# KiCad board ARTIQAmp.kicad_pcb (continued)
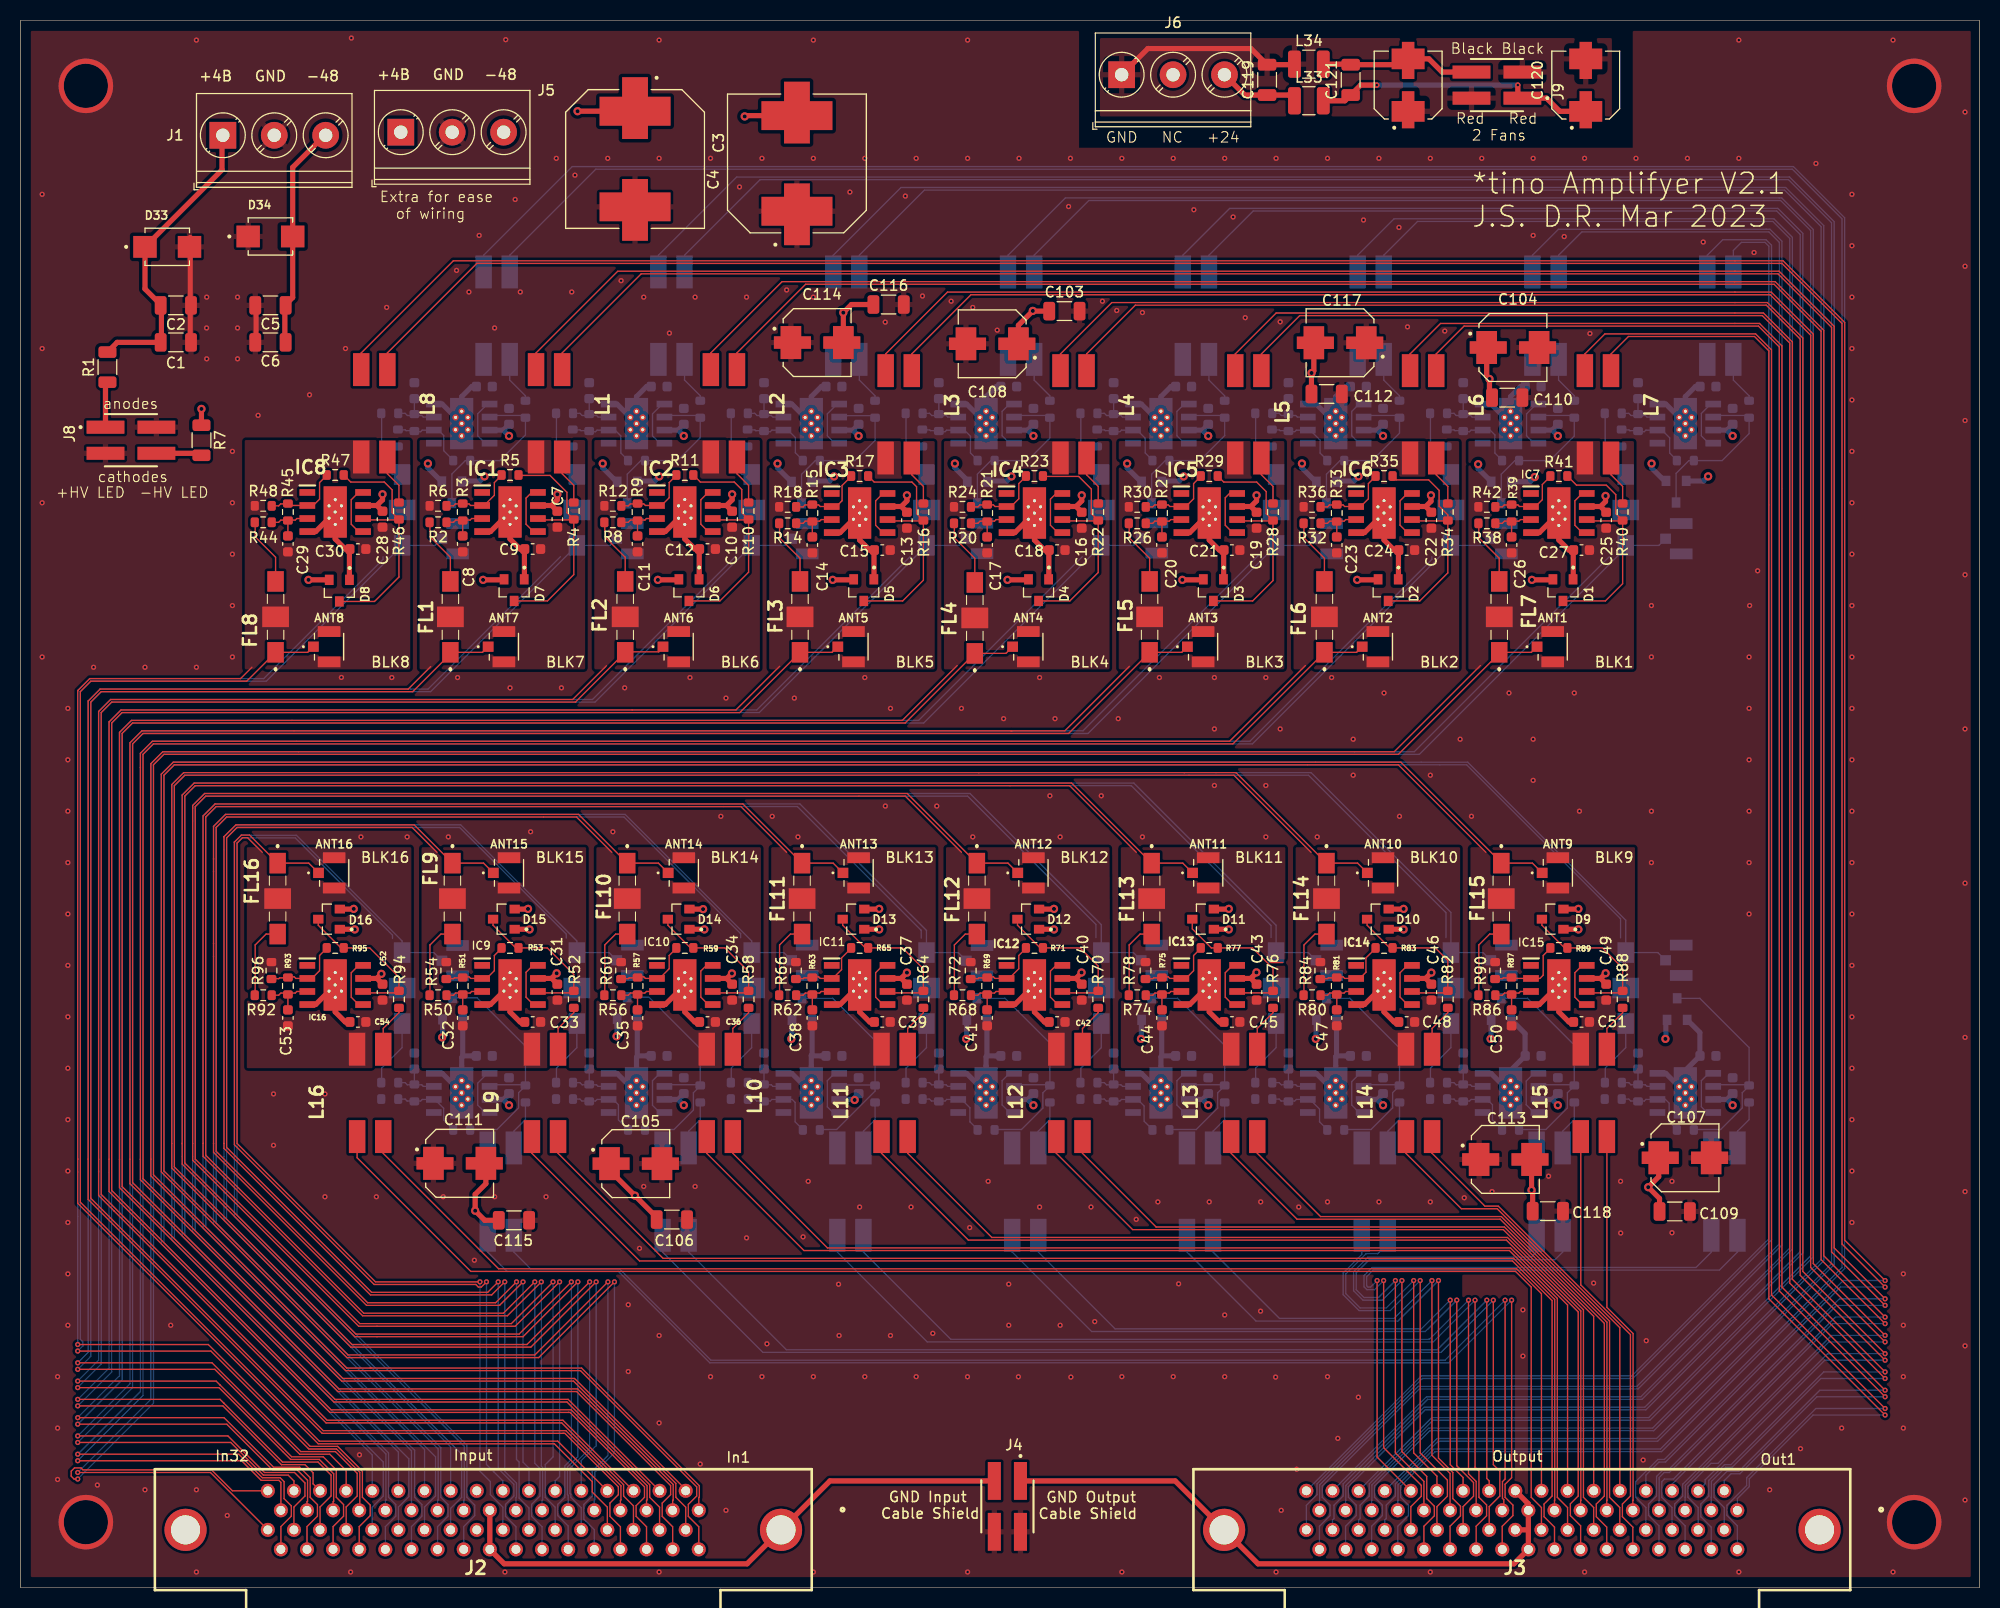
[diagram p0: board, top side]
## Routing (per net, layer and track width the routed paths; a pad name or vN(x,y) marks a point on that pad's centre or on a via; arc(x,y) is an arc through that point) (continued)
/D21_HV_OUT_COM: length 57.5
  Top w0.127: v2(137.89,29.85) 137.89,12.58 139.29,11.18 139.29,8.64 140.03,7.9 140.03,6.97 139.01,5.95 J3.57
  Bottom w0.127: 113.43,33.75 113.43,32.62 120.14,25.91 133.95,25.91 v2(137.89,29.85)
/D21_IN: length 178.4
  Bottom w0.127: ANT21.1 108.22,61.75 FL28.1 105.1,64.46 92.34,77.22 17.9,77.22 16.73,76.06 16.73,74.55 16.73,41.91 16.73,34.57 38.02,13.29 J2.23
/D21_IN_COM: length 176.3
  Bottom w0.127: J2.57 38.02,5.92 39.03,6.93 39.03,8.06 38.32,8.77 38.32,13.34 16.99,34.68 16.99,75.95 18,76.97 80.55,76.97 92.09,76.97 104.58,64.48 104.58,63.21
/D22_HV_OUT: length 37.7
  Top w0.127: v2(135.48,29.85) 135.48,13.09 137.75,10.82 J3.24
  Bottom w0.127: L29.3 132.97,33.45 131.98,32.46 130.85,32.46 128.88,30.48 128.88,28.58 130.27,27.18 132.81,27.18 v2(135.48,29.85)
/D22_HV_OUT_COM: length 41.1
  Top w0.127: v2(136.11,29.85) 136.11,13.09 138.76,10.44 138.76,8.87 137.75,7.86 J3.58
  Bottom w0.127: v2(136.11,29.85) 133.19,26.93 130.17,26.93 128.62,28.47 128.62,30.59 130.43,32.4 130.43,33.75
/D22_IN: length 195.9
  Bottom w0.127: ANT22.1 125.22,61.75 FL29.1 122.1,64.4 108.26,78.24 16.88,78.24 15.72,77.07 15.72,40.01 ; 15.72,40.01 15.72,34.19 36.74,13.16 J2.24 ; 15.72,40.01 15.72,39.9
/D22_IN_COM: length 193.7
  Bottom w0.127: 121.61,63.23 121.61,64.39 108.02,77.98 16.99,77.98 15.97,76.97 15.97,34.29 37.76,12.51 37.76,8.84 36.74,7.82 J2.58
/D23_HV_OUT: length 52
  Top w0.127: J3.25 136.47,10.31 133.7,13.09 v2(133.7,29.85)
  Bottom w0.127: 149.97,33.75 149.97,32.62 149.23,31.88 131.16,31.88 129.89,30.61 129.89,28.96 130.65,28.2 132.05,28.2 v2(133.7,29.85)
/D23_HV_OUT_COM: length 55.3
  Top w0.127: v2(134.34,29.85) 134.34,13.21 136.75,10.8 136.75,8.64 137.49,7.9 137.49,6.97 136.47,5.95 J3.59
  Bottom w0.127: 147.43,33.75 147.43,32.62 146.94,32.13 146.54,32.13 131.06,32.14 129.64,30.72 129.64,28.85 130.55,27.94 132.43,27.94 v2(134.34,29.85)
/D23_IN: length 217.8
  Bottom w0.127: ANT23.1 142.22,61.75 FL30.1 139.1,65.65 125.5,79.25 116.25,79.25 93.19,79.25 15.87,79.25 14.7,78.09 14.7,41.91 14.7,33.81 35.53,12.98 35.53,8.51 35.53,8.51 35.48,8.46 J2.25
/D23_IN_COM: length 215.7
  Bottom w0.127: J2.59 35.48,5.92 36.49,6.93 36.49,8.06 35.78,8.77 35.78,13.09 14.96,33.91 14.96,77.98 15.97,79 116.02,79 125.25,79 138.62,65.63 138.62,63.21
/D24_HV_OUT: length 62.2
  Top w0.127: J3.26 131.92,12.68 v2(131.92,29.85)
  Bottom w0.127: v2(131.92,29.85) 131.29,29.21 131.03,29.21 130.91,29.34 130.91,30.23 131.54,30.87 165.21,30.87 166.97,32.62 166.97,33.75
/D24_HV_OUT_COM: length 65.5
  Top w0.127: v2(132.56,29.85) 132.56,13.59 136.22,9.93 136.22,8.87 135.21,7.86 J3.60
  Bottom w0.127: 164.43,33.75 164.43,32.62 162.93,31.12 131.44,31.12 130.65,30.34 130.65,29.24 130.93,28.96 131.67,28.96 v2(132.56,29.85)
/D24_IN: length 234.8
  Bottom w0.127: ANT24.1 159.22,61.75 FL31.1 156.1,64.9 140.73,80.27 136.23,80.27 14.85,80.27 13.69,79.1 13.69,39.14 13.69,33.41 34.2,12.89 J2.26
/D24_IN_COM: length 232.8
  Bottom w0.127: J2.60 34.2,7.82 35.28,8.89 35.28,12.2 13.94,33.53 13.94,79 14.96,80.01 138.01,80.01 140.63,80.01 155.6,65.04 155.6,63.18
/D25_HV_OUT: length 292.6
  Bottom w0.127: 47.57,128.45 47.57,129.58 55.94,137.94 172.31,137.94 177.13,133.12 177.13,31.12 159.48,13.47 137.45,13.47 133.96,9.97 133.96,8.48 133.94,8.46 J3.27
/D25_HV_OUT_COM: length 300.2
  Bottom w0.127: J3.61 133.94,5.95 134.97,6.99 134.97,8 134.21,8.77 134.21,9.87 137.55,13.21 159.59,13.21 177.39,31.01 177.39,133.22 172.41,138.2 53.65,138.2 45.03,129.58 45.03,128.45
/D25_IN: length 141.8
  Top w0.127: J2.27 32.99,7.56 32.99,11.2 30.73,13.47 28.04,13.47 18.51,22.99 v2(5.56,22.99)
  Bottom w0.127: ANT25.1 40.33,101.35 FL24.1 23.89,88.14 6.83,88.14 5.81,87.13 5.81,24.13 6.07,23.88 6.07,23.5 v2(5.56,22.99)
/D25_IN_COM: length 140
  Top w0.127: J2.61 32.94,5.92 34.01,6.99 34.01,8 33.24,8.77 33.24,11.31 30.83,13.72 28.16,13.72 18.26,23.63 v2(5.56,23.63)
  Bottom w0.127: 35.25,100.25 35.25,100 23.65,88.4 6.72,88.4 5.56,87.23 5.56,40.39 v2(5.56,23.63)
/D26_HV_OUT: length 271.3
  Bottom w0.127: 64.57,128.45 64.57,129.58 71.92,136.93 171.93,136.93 176.12,132.74 176.12,31.5 159.1,14.48 137.75,14.48 J3.28
/D26_HV_OUT_COM: length 278.3
  Bottom w0.127: 62.03,128.45 62.03,129.58 69.63,137.18 171.04,137.18 172.03,137.18 176.37,132.84 176.37,31.39 159.21,14.23 137.85,14.23 133.7,10.08 133.7,8.89 132.81,8 132.81,6.71 132.66,6.56 J3.62
/D26_IN: length 155.3
  Top w0.127: J2.28 31.66,11.36 30.07,12.96 27.15,12.96 18.89,21.21 v2(5.56,21.21)
  Bottom w0.127: v2(5.56,21.21) 6.83,22.48 6.83,86.11 7.84,87.13 39.88,87.13 FL17.1 57.33,101.35 ANT26.1
/D26_IN_COM: length 154.1
  Top w0.127: J2.62 31.66,7.82 32.74,8.89 32.74,11.1 30.62,13.21 27.25,13.21 18.62,21.85 v2(5.56,21.85)
  Bottom w0.127: 52.5,100.25 39.63,87.38 37.95,87.38 7.74,87.38 6.57,86.22 6.57,22.86 v2(5.56,21.85)
/D27_HV_OUT: length 254.5
  Bottom w0.127: J3.29 131.4,8.46 131.42,8.48 131.42,9.97 136.94,15.5 158.72,15.5 175.1,31.88 175.1,132.35 171.55,135.91 87.9,135.91 81.57,129.58 81.57,128.45
/D27_HV_OUT_COM: length 262.1
  Bottom w0.127: J3.63 131.4,5.95 132.43,6.99 132.43,8 131.67,8.77 131.67,9.87 137.05,15.24 158.83,15.24 175.36,31.78 175.36,132.46 171.65,136.16 171.04,136.16 85.62,136.16 79.03,129.58 79.03,128.45
/D27_IN: length 172.7
  Top w0.127: v2(5.56,19.44) 19.3,19.44 ; 19.3,19.43 26.26,12.45 29.05,12.45 30.45,11.05 30.45,8.39 30.4,8.33 30.4,7.5
  Bottom w0.127: v2(5.56,19.44) 7.84,21.72 7.84,85.09 8.86,86.11 55.86,86.11 FL18.1 74.33,101.35 ANT27.1
/D27_IN_COM: length 171.5
  Top w0.127: v2(5.56,20.07) 19.02,20.07 19.4,19.69 26.36,12.7 29.43,12.7 30.7,11.43 30.7,8.77 31.41,8.06 31.41,6.93 30.4,5.92 30.4,3.7
  Bottom w0.127: FL18.3 71.11,104.8 ; 7.59,40.52 7.59,22.1 v2(5.56,20.07) ; 7.59,40.52 7.59,85.2 8.75,86.36 55.61,86.36 69.5,100.25 ; 7.59,40.52 7.59,40.39 ; 70.76,111.07 70.7,111.01
/D28_HV_OUT: length 233.2
  Bottom w0.127: J3.30 137.24,16.51 158.34,16.51 174.09,32.26 174.09,131.97 171.17,134.89 103.89,134.89 98.57,129.58 98.57,128.45
/D28_HV_OUT_COM: length 240.2
  Bottom w0.127: J3.64 130.12,6.56 130.27,6.71 130.27,8 131.16,8.89 131.16,10.08 137.34,16.26 158.44,16.26 174.34,32.16 174.34,117.35 174.34,117.35 174.34,132.08 171.27,135.15 171.04,135.15 101.6,135.15 96.03,129.58 96.03,128.45
/D28_IN: length 186
  Top w0.127: J2.30 28.45,10.08 28.45,11.15 27.66,11.94 25.37,11.94 19.68,17.66 v2(5.56,17.66)
  Bottom w0.127: v2(5.56,17.66) 8.86,20.96 8.86,84.08 9.88,85.09 71.84,85.09 FL19.1 91.3,101.35 ANT28.1
/D28_IN_COM: length 186.2
  Top w0.127: J2.64 29.12,7.82 30.2,8.89 30.2,10.93 28.93,12.2 25.48,12.2 19.78,17.91 19.4,18.29 v2(5.56,18.29)
  Bottom w0.127: 87.71,111.02 87.7,111.01 ; 86.5,100.25 71.6,85.35 66.04,85.35 66.04,85.35 9.77,85.35 8.61,84.18 8.61,40.39 8.61,21.34 v2(5.56,18.29) ; FL19.3 89.09,104.8
/D29_HV_OUT: length 216.3
  Bottom w0.127: 115.57,128.45 115.57,129.58 119.87,133.88 170.78,133.88 173.07,131.59 173.07,32.64 157.96,17.53 136.5,17.53 128.88,9.91 128.88,8.48 128.85,8.46 J3.31
/D29_HV_OUT_COM: length 223.9
  Bottom w0.127: J3.65 128.85,5.95 129.89,6.99 129.89,8 129.13,8.77 129.13,9.8 136.6,17.28 158.06,17.28 173.33,32.54 173.33,131.7 170.89,134.13 117.59,134.13 113.03,129.58 113.03,128.45
/D29_IN: length 203.5
  Top w0.127: J2.31 27.85,8.33 27.91,8.39 27.91,10.42 26.89,11.43 24.5,11.43 20.06,15.88 v2(5.56,15.88)
  Bottom w0.127: v2(5.56,15.88) 9.88,20.2 9.88,83.06 10.89,84.08 87.83,84.08 FL20.1 108.24,101.35 ANT29.1
/D29_IN_COM: length 202.7
  Top w0.127: v2(5.56,16.51) 19.78,16.51 24.61,11.69 27.15,11.69 28.16,10.67 28.16,8.77 28.87,8.06 28.87,6.93 27.85,5.92 J2.65
  Bottom w0.127: v2(5.56,16.51) 9.62,20.58 9.62,83.17 10.79,84.33 87.33,84.33 103.25,100.25 ; 105.02,104.8 FL20.3 105.99,104.8
/D30_HV_OUT: length 195.1
  Bottom w0.127: J3.32 136.73,18.55 157.58,18.55 172.06,33.02 172.06,131.21 170.4,132.86 135.85,132.86 132.57,129.58 132.57,128.45
/D30_HV_OUT_COM: length 202.1
  Bottom w0.127: J3.66 127.59,6.56 127.73,6.71 127.73,8 128.62,8.89 128.62,10.08 136.84,18.29 157.68,18.29 172.31,32.92 172.31,131.32 170.51,133.12 133.57,133.12 130.03,129.58 130.03,128.45
/D30_IN: length 217
  Top w0.127: J2.32 26.59,10.36 26.02,10.93 23.61,10.93 20.44,14.1 v2(5.56,14.1)
  Bottom w0.127: v2(5.56,14.1) 10.89,19.44 10.89,82.05 11.91,83.06 103.81,83.06 FL21.1 125.32,101.35 ANT30.1
/D30_IN_COM: length 216.4
  Top w0.127: v2(5.56,14.74) 20.16,14.74 23.72,11.18 26.64,11.18 27.66,10.16 27.66,8.89 26.59,7.82 J2.66
  Bottom w0.127: FL21.3 122.1,105.06 ; 96.43,83.32 96.57,83.32 ; 96.43,83.32 103.32,83.32 120.5,100.5 ; 96.43,83.32 11.8,83.32 10.64,82.15 10.64,19.82 v2(5.56,14.74) ; 121.71,111.02 121.7,111.01
/D31_HV_OUT: length 178.3
  Bottom w0.127: 149.57,128.45 149.57,129.58 151.84,131.85 170.02,131.85 171.04,130.83 171.04,33.41 157.2,19.56 135.93,19.56 126.34,9.97 126.34,8.48 126.31,8.46 J3.33
/D31_HV_OUT_COM: length 185.9
  Bottom w0.127: J3.67 126.31,5.95 127.35,6.99 127.35,8 126.59,8.77 126.59,9.87 136.03,19.31 157.3,19.31 171.29,33.3 171.29,106.9 171.29,106.9 171.29,130.94 170.13,132.1 169.77,132.1 149.55,132.1 147.03,129.58 147.03,128.45
/D31_IN: length 234.4
  Top w0.127: v2(5.56,12.32) 21.5,12.32 23.4,10.42 25.12,10.42 25.31,10.22 J2.33
  Bottom w0.127: ANT31.1 142.32,101.35 FL22.1 119.8,82.05 12.92,82.05 11.91,81.03 11.91,18.67 v2(5.56,12.32)
/D31_IN_COM: length 233.1
  Top w0.127: J2.67 25.31,5.92 26.33,6.93 26.33,7.93 26.33,7.93 25.62,8.64 25.62,10.29 25.24,10.67 23.51,10.67 21.22,12.96 v2(5.56,12.96)
  Bottom w0.127: 137.25,100.25 137.25,100 119.55,82.3 12.82,82.3 11.65,81.14 11.65,19.05 v2(5.56,12.96) ; FL22.3 139.1,105.05 ; 138.71,111.02 138.7,111.01
/D32_HV_OUT: length 157.2
  Bottom w0.127: 125.04,9.4 136.22,20.58 156.69,20.58 170.02,33.91 170.02,130.45 169.64,130.83 167.36,130.83 166.57,130.04 166.57,128.45
/D32_HV_OUT_COM: length 163.9
  Bottom w0.127: 125.04,5.6 125.04,7.99 126.08,9.02 126.08,10.08 136.33,20.32 156.79,20.32 170.28,33.81 170.28,130.55 169.75,131.08 165.54,131.08 164.03,129.58 164.03,128.45
/D32_IN: length 250.2
  Top w0.127: J2.34 20.6,9.4 18.57,11.43 6.07,11.43 5.88,11.62 5.24,11.62 4.92,11.31 4.92,10.82 5.2,10.54 v2(5.56,10.54)
  Bottom w0.127: ANT32.1 159.32,101.35 FL23.1 156.1,101.1 136.03,81.03 13.94,81.03 12.92,80.01 12.92,17.91 v2(5.56,10.54)
/D32_IN_COM: length 243.6
  Top w0.127: v2(5.56,11.18) 18.47,11.18 J2.68
  Bottom w0.127: v2(5.56,11.18) 12.67,18.29 12.67,39.37 12.67,80.12 13.83,81.28 129.72,81.28 ; 129.72,81.28 130.05,81.28 ; 129.72,81.28 135.53,81.28 154.5,100.25 ; 155.71,111.02 155.7,111.01 ; FL23.3 155.69,104.8
Net-(C8-Pad1): length 5.2
  Top w0.127: 43,102.29 43,103.81 ; 43,103.81 42.31,103.81 42.1,103.6 41.39,103.6 ; 43,103.81 43.71,103.81 43.87,103.97 IC1.3
Net-(C11-Pad1): length 5.2
  Top w0.127: IC2.3 60.86,103.97 60.71,103.81 60,103.81 ; 60,103.81 59.31,103.81 59.1,103.6 58.39,103.6 ; 60,103.81 60,102.29
Net-(C14-Pad1): length 5.2
  Top w0.127: 77,103.71 76.31,103.71 76.1,103.5 75.39,103.5 ; 77,103.71 77.71,103.71 77.86,103.86 IC3.3 ; 77,103.71 77,102.19
Net-(C17-Pad1): length 5.2
  Top w0.127: 92.39,103.5 93.1,103.5 93.31,103.71 94,103.71 ; 94,103.71 94.71,103.71 94.86,103.86 IC4.3 ; 94,103.71 94,102.19
Net-(C20-Pad1): length 5.6
  Top w0.127: 110.58,103.71 110.61,103.67 R27.1 ; 110.58,103.71 110.31,103.71 110.1,103.5 109.39,103.5 ; 110.58,103.71 111,103.71 ; IC5.3 111.87,103.86 111.71,103.71 111,103.71 ; 111,103.71 111,102.19
Net-(C23-Pad1): length 5.2
  Top w0.127: 128,103.71 127.31,103.71 127.1,103.5 126.39,103.5 ; 128,103.71 128.71,103.71 128.87,103.86 IC6.3 ; 128,103.71 128,102.19
Net-(C26-Pad1): length 5.2
  Top w0.127: IC7.3 145.87,103.86 145.71,103.71 145,103.71 ; 145,103.71 144.31,103.71 144.1,103.5 143.39,103.5 ; 145,103.71 145,102.19
Net-(C29-Pad1): length 5.2
  Top w0.127: 24.39,103.6 25.1,103.6 25.31,103.81 26,103.81 ; 26,102.29 26,103.81 ; 26,103.81 26.71,103.81 26.87,103.97 27.89,103.97
Net-(C32-Pad1): length 5.2
  Top w0.127: 43,57.81 42.31,57.81 42.1,57.6 41.39,57.6 ; 43,57.81 43,56.29 ; 43,57.81 43.71,57.81 43.87,57.97 IC9.3
Net-(C35-Pad1): length 5.2
  Top w0.127: 58.39,57.6 59.1,57.6 59.31,57.81 60,57.81 ; IC10.3 60.86,57.97 60.71,57.81 60,57.81 ; 60,57.81 60,56.29
Net-(C38-Pad1): length 5.2
  Top w0.127: IC11.3 77.86,57.97 77.71,57.81 77,57.81 ; 77,57.81 76.31,57.81 76.1,57.6 75.39,57.6 ; 77,57.81 77,56.29
Net-(C41-Pad1): length 5.2
  Top w0.127: 94,56.29 94,57.81 ; 94,57.81 93.31,57.81 93.1,57.6 92.39,57.6 ; 94,57.81 94.71,57.81 94.86,57.97 IC12.3
Net-(C44-Pad1): length 5.2
  Top w0.127: IC13.3 111.87,57.97 111.71,57.81 111,57.81 ; 111,57.81 110.31,57.81 110.1,57.6 109.39,57.6 ; 111,57.81 111,56.29
Net-(C47-Pad1): length 5.2
  Top w0.127: 128,57.81 127.31,57.81 127.1,57.6 126.39,57.6 ; 128,57.81 128,56.29 ; 128,57.81 128.71,57.81 128.87,57.97 IC14.3
Net-(C50-Pad1): length 5.2
  Top w0.127: 143.39,57.6 144.1,57.6 144.31,57.81 145,57.81 ; 145,56.29 145,57.81 ; 145,57.81 145.71,57.81 145.87,57.97 IC15.3
Net-(C53-Pad1): length 5.2
  Top w0.127: IC16.3 26.87,57.97 26.71,57.81 26,57.81 ; 26,57.81 25.31,57.81 25.1,57.6 24.39,57.6 ; 26,57.81 26,56.29
Net-(C56-Pad1): length 5.2
  Bottom w0.127: IC17.3 56.17,113.84 56.01,113.99 55.3,113.99 ; 55.3,113.99 54.61,113.99 54.4,114.2 53.69,114.2 ; 55.3,113.99 55.3,115.51
Net-(C59-Pad1): length 5.2
  Bottom w0.127: 72.3,115.51 72.3,113.99 ; 72.3,113.99 73.01,113.99 73.17,113.84 IC18.3 ; 72.3,113.99 71.61,113.99 71.4,114.2 70.69,114.2
Net-(C62-Pad1): length 5.2
  Bottom w0.127: 89.3,113.99 90.01,113.99 90.17,113.84 IC19.3 ; 89.3,113.99 89.3,115.51 ; 89.3,113.99 88.61,113.99 88.4,114.2 87.69,114.2
Net-(C65-Pad1): length 5.2
  Bottom w0.127: 106.3,115.51 106.3,113.99 ; 106.3,113.99 107.01,113.99 107.17,113.84 IC20.3 ; 106.3,113.99 105.61,113.99 105.4,114.2 104.69,114.2
Net-(C68-Pad1): length 5.2
  Bottom w0.127: 123.3,113.99 124.01,113.99 124.16,113.84 IC21.3 ; 123.3,113.99 123.3,115.51 ; 123.3,113.99 122.61,113.99 122.4,114.2 121.69,114.2
Net-(C71-Pad1): length 5.2
  Bottom w0.127: IC22.3 141.16,113.84 141.01,113.99 140.3,113.99 ; 140.3,115.51 140.3,113.99 ; 140.3,113.99 139.61,113.99 139.4,114.2 138.69,114.2
Net-(C74-Pad1): length 5.2
  Bottom w0.127: IC23.3 158.16,113.84 158.01,113.99 157.3,113.99 ; 155.69,114.2 156.4,114.2 156.61,113.99 157.3,113.99 ; 157.3,115.51 157.3,113.99
Net-(C77-Pad1): length 5.2
  Bottom w0.127: 38.3,113.99 39.01,113.99 39.16,113.84 IC24.3 ; 38.3,113.99 38.3,115.51 ; 38.3,113.99 37.61,113.99 37.4,114.2 36.69,114.2
Net-(C80-Pad1): length 5.2
  Bottom w0.127: 55.3,48.89 54.61,48.89 54.4,49.1 53.69,49.1 ; 55.3,48.89 56.01,48.89 56.17,48.73 IC25.3 ; 55.3,48.89 55.3,50.41
Net-(C83-Pad1): length 5.2
  Bottom w0.127: 70.69,49.1 71.4,49.1 71.61,48.89 72.3,48.89 ; 72.3,48.89 73.01,48.89 73.17,48.73 IC26.3 ; 72.3,48.89 72.3,50.41
Net-(C86-Pad1): length 5.2
  Bottom w0.127: 89.3,48.89 88.61,48.89 88.4,49.1 87.69,49.1 ; 89.3,48.89 90.01,48.89 90.17,48.73 IC27.3 ; 89.3,48.89 89.3,50.41
Net-(C89-Pad1): length 5.2
  Bottom w0.127: 104.69,49.1 105.4,49.1 105.61,48.89 106.3,48.89 ; 106.3,50.41 106.3,48.89 ; 106.3,48.89 107.01,48.89 107.17,48.73 IC28.3
Net-(C92-Pad1): length 5.2
  Bottom w0.127: 123.3,48.89 122.61,48.89 122.4,49.1 121.69,49.1 ; 123.3,48.89 124.01,48.89 124.16,48.73 IC29.3 ; 123.3,48.89 123.3,50.41
Net-(C95-Pad1): length 5.2
  Bottom w0.127: 140.3,48.89 139.61,48.89 139.4,49.1 138.69,49.1 ; 140.3,48.89 141.01,48.89 141.16,48.73 IC30.3 ; 140.3,48.89 140.3,50.41
Net-(C98-Pad1): length 5.2
  Bottom w0.127: 157.3,48.89 158.01,48.89 158.16,48.73 IC31.3 ; 157.3,48.89 156.61,48.89 156.4,49.1 155.69,49.1 ; 157.3,48.89 157.3,50.41
Net-(C101-Pad1): length 5.2
  Bottom w0.127: 38.3,50.41 38.3,48.89 ; 38.3,48.89 39.01,48.89 39.16,48.73 IC32.3 ; 38.3,48.89 37.61,48.89 37.4,49.1 36.69,49.1
Net-(C120-Pad1): length 27.7
  Top w0.508: L33.2 128.79,144.6 C121.1 130.32,146.12 v2(131.89,146.12) ; C120.1 149.68,143.57 148.4,144.85 J9.01 145.61,145.3 v2(145.61,146.12)
  Bottom w0.508: v2(131.89,146.12) v2(145.61,146.12)
Net-(C122-Pad2): length 15.2
  Top w0.508: J9.04 138.24,147.39 136.96,148.67 C122.2 134.37,148.11 C121.2 129.3,148.16 L34.2
Net-(D1-Pad3): length 24.5
  Top w0.127: 155.8,103.78 155.76,103.73 152.45,103.73 IC7.6 ; 155.8,103.78 155.13,104.44 155.13,106.29 154.21,107.21 151.31,107.21 R41.2 ; 155.8,103.78 155.8,97.63 154.12,95.95 D1.3 ; 155.74,103.76 155.8,103.81
Net-(D2-Pad3): length 24.1
  Top w0.127: IC6.6 135.45,103.73 138.76,103.73 138.8,103.78 ; 138.8,103.78 138.8,98.68 136.07,95.95 D2.3 ; 138.8,103.78 138.8,104.32 137.95,105.17 137.95,106.71 136.94,107.72 133.8,107.72 R35.2 ; 138.74,103.76 138.8,103.81
Net-(D3-Pad3): length 25
  Top w0.127: 121.74,103.76 121.8,103.81 ; 118.65,103.66 118.44,103.86 IC5.6 118.45,103.73 121.76,103.73 121.8,103.78 ; 121.8,103.78 121.13,104.44 121.13,106.59 120.21,107.52 117.01,107.52 R29.2 ; 121.8,103.78 121.8,97.93 119.82,95.95 D3.3
Net-(D4-Pad3): length 24.2
  Top w0.127: 104.8,103.78 104.13,104.44 104.13,106.83 102.9,108.06 99.47,108.06 R23.2 ; 104.8,103.78 104.8,98.71 102.04,95.95 D4.3 ; 104.8,103.78 104.76,103.73 101.45,103.73 IC4.6 ; 104.74,103.76 104.8,103.81
Net-(D5-Pad3): length 24.8
  Top w0.127: 87.8,103.78 87.76,103.73 84.45,103.73 IC3.6 ; 87.8,103.78 87.13,104.44 87.13,107.06 86.68,107.52 83.01,107.52 R17.2 ; 87.8,103.78 87.8,97.97 85.78,95.95 D5.3 ; 87.74,103.76 87.8,103.81
Net-(D6-Pad3): length 24.2
  Top w0.127: IC2.6 67.45,103.83 70.76,103.83 R10.2 ; R10.2 70.13,104.54 70.13,106.79 69.41,107.52 66.11,107.52 R11.2 ; R10.2 70.8,98.75 68,95.95 D6.3 ; 70.74,103.86 70.8,103.91
Net-(D7-Pad3): length 24.2
  Top w0.127: D7.3 51.24,95.95 53.8,98.51 R4.2 ; R4.2 53.76,103.83 50.45,103.83 IC1.6 ; R4.2 53.13,104.54 53.13,106.52 51.49,108.16 48.47,108.16 R5.2 ; 53.74,103.86 53.8,103.91
Net-(D8-Pad3): length 24.5
  Top w0.127: R46.2 36.76,103.83 33.45,103.83 IC8.6 ; R46.2 36.8,98.28 34.42,95.9 D8.3 ; R46.2 36.13,104.54 36.13,106.75 35.37,107.52 32.11,107.52 31.42,108.2 ; 36.8,103.91 36.74,103.86
Net-(D9-Pad3): length 16.2
  Top w0.127: 155.67,57.86 155.8,57.99 ; IC15.6 152.45,57.83 155.61,57.83 R88.2 155.8,60.24 153.84,62.2 R89.2 150.16,62.2 147.95,64.41 D9.3
Net-(D10-Pad3): length 16.6
  Top w0.127: D10.3 130.95,64.41 133.16,62.2 R83.2 137.58,62.2 138.8,60.98 R82.2 138.61,57.83 135.45,57.83 IC14.6 ; 138.8,57.99 138.67,57.86
Net-(D11-Pad3): length 16.4
  Top w0.127: 121.8,57.99 121.67,57.86 ; D11.3 113.95,64.05 115.8,62.2 R77.2 119.8,62.2 121.8,60.2 R76.2 121.61,57.83 118.45,57.83 IC13.6
Net-(D12-Pad3): length 16.3
  Top w0.127: D12.3 96.95,64.41 99.16,62.2 R71.2 103.04,62.2 104.8,60.44 R70.2 104.61,57.83 101.45,57.83 IC12.6 ; 104.8,57.99 104.67,57.86
Net-(D13-Pad3): length 16.1
  Top w0.127: 87.8,57.99 87.67,57.86 ; IC11.6 84.45,57.83 87.61,57.83 R64.2 87.8,60.17 85.77,62.2 R65.2 82.16,62.2 79.95,64.41 D13.3
Net-(D14-Pad3): length 16
  Top w0.127: 62.97,65.03 D14.3 62.95,64.41 65.16,62.2 R59.2 68.5,62.2 70.8,59.9 R58.2 70.61,57.83 67.45,57.83 IC10.6 ; 70.8,57.99 70.67,57.86
Net-(D15-Pad3): length 15.9
  Top w0.127: 45.97,65.03 D15.3 45.95,64.41 48.16,62.2 R53.2 51.22,62.2 53.8,59.62 R52.2 53.61,57.83 50.45,57.83 IC9.6 ; 53.8,57.99 53.67,57.86
Net-(D16-Pad3): length 15.7
  Top w0.127: IC16.6 33.45,57.83 36.61,57.83 R94.2 36.8,59.35 33.95,62.2 31.16,62.2 28.95,64.41 D16.3 28.98,65.03 ; 36.8,57.99 36.67,57.86
Net-(D17-Pad3): length 24.5
  Bottom w0.127: D17.3 44.39,57.35 49.1,52.64 R190.2 ; IC32.6 45.77,48.89 48.99,48.89 49.1,48.79 48.43,48.12 48.43,46.64 46.33,44.54 43.77,44.54 R191.2
Net-(D18-Pad3): length 24.5
  Bottom w0.127: IC25.6 62.77,48.89 65.99,48.89 66.1,48.79 65.43,48.12 65.43,46.43 63.54,44.54 60.77,44.54 60.72,44.5 ; D18.3 61.09,57.41 66.1,52.4 R148.2
Net-(D19-Pad3): length 24.2
  Bottom w0.127: R154.2 83.1,48.28 79.36,44.54 77.77,44.54 77.72,44.5 ; R154.2 83.1,53.18 78.98,57.3 D19.3 ; R154.2 83.06,48.87 79.75,48.87 IC26.6
Net-(D20-Pad3): length 24.6
  Bottom w0.127: D20.3 95.75,57.3 100.1,52.95 R160.2 ; 94.72,44.5 94.77,44.54 97.33,44.54 99.42,46.63 99.42,48.11 100.1,48.79 99.99,48.89 96.77,48.89 IC27.6
Net-(D21-Pad3): length 24.5
  Bottom w0.127: IC28.6 113.77,48.89 116.99,48.89 117.1,48.79 116.42,48.11 116.42,46.63 114.33,44.54 111.77,44.54 R167.2 ; D21.3 112.51,57.3 117.1,52.71 R166.2
Net-(D22-Pad3): length 24.4
  Bottom w0.127: R172.2 134.1,52.48 129.28,57.3 D22.3 ; R173.2 128.77,44.54 131.33,44.54 133.43,46.64 133.43,48.12 134.1,48.79 133.99,48.89 130.77,48.89 IC29.6
Net-(D23-Pad3): length 24.5
  Bottom w0.127: R179.2 145.77,44.54 148.33,44.54 150.43,46.63 150.43,48.11 151.1,48.79 150.99,48.89 147.77,48.89 IC30.6 ; D23.3 146.55,57.3 151.1,52.75 R178.2
Net-(D24-Pad3): length 24.3
  Bottom w0.127: R185.2 162.77,44.54 165.33,44.54 167.43,46.64 167.43,48.12 168.1,48.79 167.99,48.89 164.77,48.89 IC31.6 ; D24.3 163.31,57.3 168.1,52.51 R184.2
Net-(D25-Pad3): length 16.9
  Bottom w0.127: 49.1,113.81 48.92,113.99 45.77,113.99 IC24.6 ; D25.3 41.95,108.3 43.25,109.6 R143.2 46.6,109.6 49.1,112.1 R142.2
Net-(D26-Pad3): length 17
  Bottom w0.127: D26.3 59,108.28 60.32,109.6 63.87,109.6 66.1,111.83 R100.2 ; IC17.6 62.77,113.99 65.92,113.99 66.1,113.81
Net-(D27-Pad3): length 17.2
  Bottom w0.127: IC18.6 79.75,113.97 82.91,113.97 R106.2 83.1,111.56 81.14,109.6 77.29,109.6 75.95,108.26 D27.3
Net-(D28-Pad3): length 16.9
  Bottom w0.127: D28.3 93.05,108.28 94.37,109.6 97.91,109.6 100.1,111.79 R112.2 ; 100.1,113.81 99.92,113.99 96.77,113.99 IC19.6
Net-(D29-Pad3): length 16.9
  Bottom w0.127: R118.2 117.1,112.03 114.67,109.6 R119.2 111.32,109.6 110,108.28 D29.3 ; IC20.6 113.77,113.99 116.92,113.99 117.1,113.81
Net-(D30-Pad3): length 16.7
  Bottom w0.127: IC21.6 130.77,113.99 133.92,113.99 134.1,113.81 ; R124.2 134.1,112.26 131.44,109.6 R125.2 128.32,109.6 127,108.28 D30.3
Net-(D31-Pad3): length 16.9
  Bottom w0.127: IC22.6 147.77,113.99 150.92,113.99 151.1,113.81 ; R130.2 151.1,111.99 148.71,109.6 R131.2 145.32,109.6 144,108.28 D31.3
Net-(D32-Pad3): length 16.7
  Bottom w0.127: 168.1,113.81 167.92,113.99 164.77,113.99 IC23.6 ; R136.2 168.1,112.23 165.47,109.6 R137.2 162.24,109.6 161,108.36 D32.3
Net-(FL1-Pad2): length 6.6
  Top w0.127: FL1.2 41.8,100.2 39.81,102.19 39.81,103.6
Net-(FL2-Pad2): length 6.6
  Top w0.127: 56.81,103.6 56.81,102.19 58.8,100.2 FL2.2
Net-(FL3-Pad2): length 6.6
  Top w0.127: 75.8,97.75 75.8,100.1 73.81,102.09 73.81,103.5
Net-(FL4-Pad2): length 6.6
  Top w0.127: 90.81,103.5 90.81,102.09 92.8,100.1 FL4.2
Net-(FL5-Pad2): length 6.6
  Top w0.127: 109.8,97.75 109.8,100.1 107.81,102.09 107.81,103.5
Net-(FL6-Pad2): length 6.6
  Top w0.127: 126.8,97.75 126.8,100.1 124.81,102.09 124.81,103.5
Net-(FL7-Pad2): length 6.6
  Top w0.127: 141.81,103.5 141.81,102.09 143.8,100.1 143.8,97.75
Net-(FL8-Pad2): length 6.6
  Top w0.127: 22.81,103.6 22.81,102.19 24.8,100.2 FL8.2
Net-(FL9-Pad2): length 6.8
  Top w0.127: 39.81,58.08 39.81,62.49 40.87,63.55 41.8,63.55
Net-(FL10-Pad2): length 6.8
  Top w0.127: 58.8,63.55 57.87,63.55 56.81,62.49 56.81,58.08
Net-(FL11-Pad2): length 6.8
  Top w0.127: 73.81,58.08 73.81,62.49 74.87,63.55 75.8,63.55
Net-(FL12-Pad2): length 6.8
  Top w0.127: 92.8,63.55 91.87,63.55 90.81,62.49 90.81,58.08
Net-(FL13-Pad2): length 6.8
  Top w0.127: 107.81,58.08 107.81,62.49 108.87,63.55 109.8,63.55
Net-(FL14-Pad2): length 6.8
  Top w0.127: 126.8,63.55 125.87,63.55 124.81,62.49 124.81,58.08
Net-(FL15-Pad2): length 6.8
  Top w0.127: 143.8,63.55 142.87,63.55 141.81,62.49 141.81,58.08
Net-(FL16-Pad2): length 7.3
  Top w0.127: 22.81,57.6 22.81,62.49 23.87,63.55 24.8,63.55
Net-(FL17-Pad2): length 7.3
  Bottom w0.127: FL17.2 53.17,108.25 52.11,109.31 52.11,114.2
Net-(FL18-Pad2): length 7.3
  Bottom w0.127: FL18.2 70.17,108.25 69.11,109.31 69.11,114.2
Net-(FL19-Pad2): length 7.3
  Bottom w0.127: 86.11,114.2 86.11,109.31 87.17,108.25 FL19.2
Net-(FL20-Pad2): length 7.3
  Bottom w0.127: 103.11,114.2 103.11,109.31 104.17,108.25 FL20.2
Net-(FL21-Pad2): length 7.3
  Bottom w0.127: 120.11,114.2 120.11,109.31 121.17,108.25 FL21.2
Net-(FL22-Pad2): length 7.3
  Bottom w0.127: 137.11,114.2 137.11,109.31 138.17,108.25 FL22.2
Net-(FL23-Pad2): length 7.3
  Bottom w0.127: 154.1,114.2 154.1,109.32 155.17,108.25 FL23.2
Net-(FL24-Pad2): length 7.3
  Bottom w0.127: FL24.2 36.17,108.25 35.11,109.31 35.11,114.2
Net-(FL25-Pad2): length 6.6
  Bottom w0.127: 52.11,49.1 52.11,50.51 54.1,52.5 FL25.2
Net-(FL26-Pad2): length 6.6
  Bottom w0.127: 69.11,49.1 69.11,50.51 71.1,52.5 FL26.2
Net-(FL27-Pad2): length 6.6
  Bottom w0.127: FL27.2 88.1,52.5 86.11,50.51 86.11,49.1
Net-(FL28-Pad2): length 6.6
  Bottom w0.127: 103.11,49.1 103.11,50.51 105.1,52.5 FL28.2
Net-(FL29-Pad2): length 6.6
  Bottom w0.127: 120.11,49.1 120.11,50.51 122.1,52.5 FL29.2
Net-(FL30-Pad2): length 6.6
  Bottom w0.127: 137.11,49.1 137.11,50.51 139.1,52.5 FL30.2
Net-(FL31-Pad2): length 6.6
  Bottom w0.127: FL31.2 156.1,52.5 154.11,50.51 154.11,49.1
Net-(FL32-Pad2): length 6.6
  Bottom w0.127: 35.11,49.1 35.11,50.51 37.1,52.5 FL32.2
Net-(IC1-Pad2): length 7.5
  Top w0.127: 41.39,105.2 42.1,105.2 42.29,105.39 43.61,105.39 43.77,105.23 IC1.2 45.09,105.23 46.08,106.23 46.08,107.46 46.81,108.2
Net-(IC1-Pad5): length 5.4
  Top w0.127: IC1.8 49.71,106.5 49.16,105.95 49.16,103.41 49.87,102.69 IC1.5
